# KiCad board LightRail_LPO_1.6T.kicad_pcb (continued)
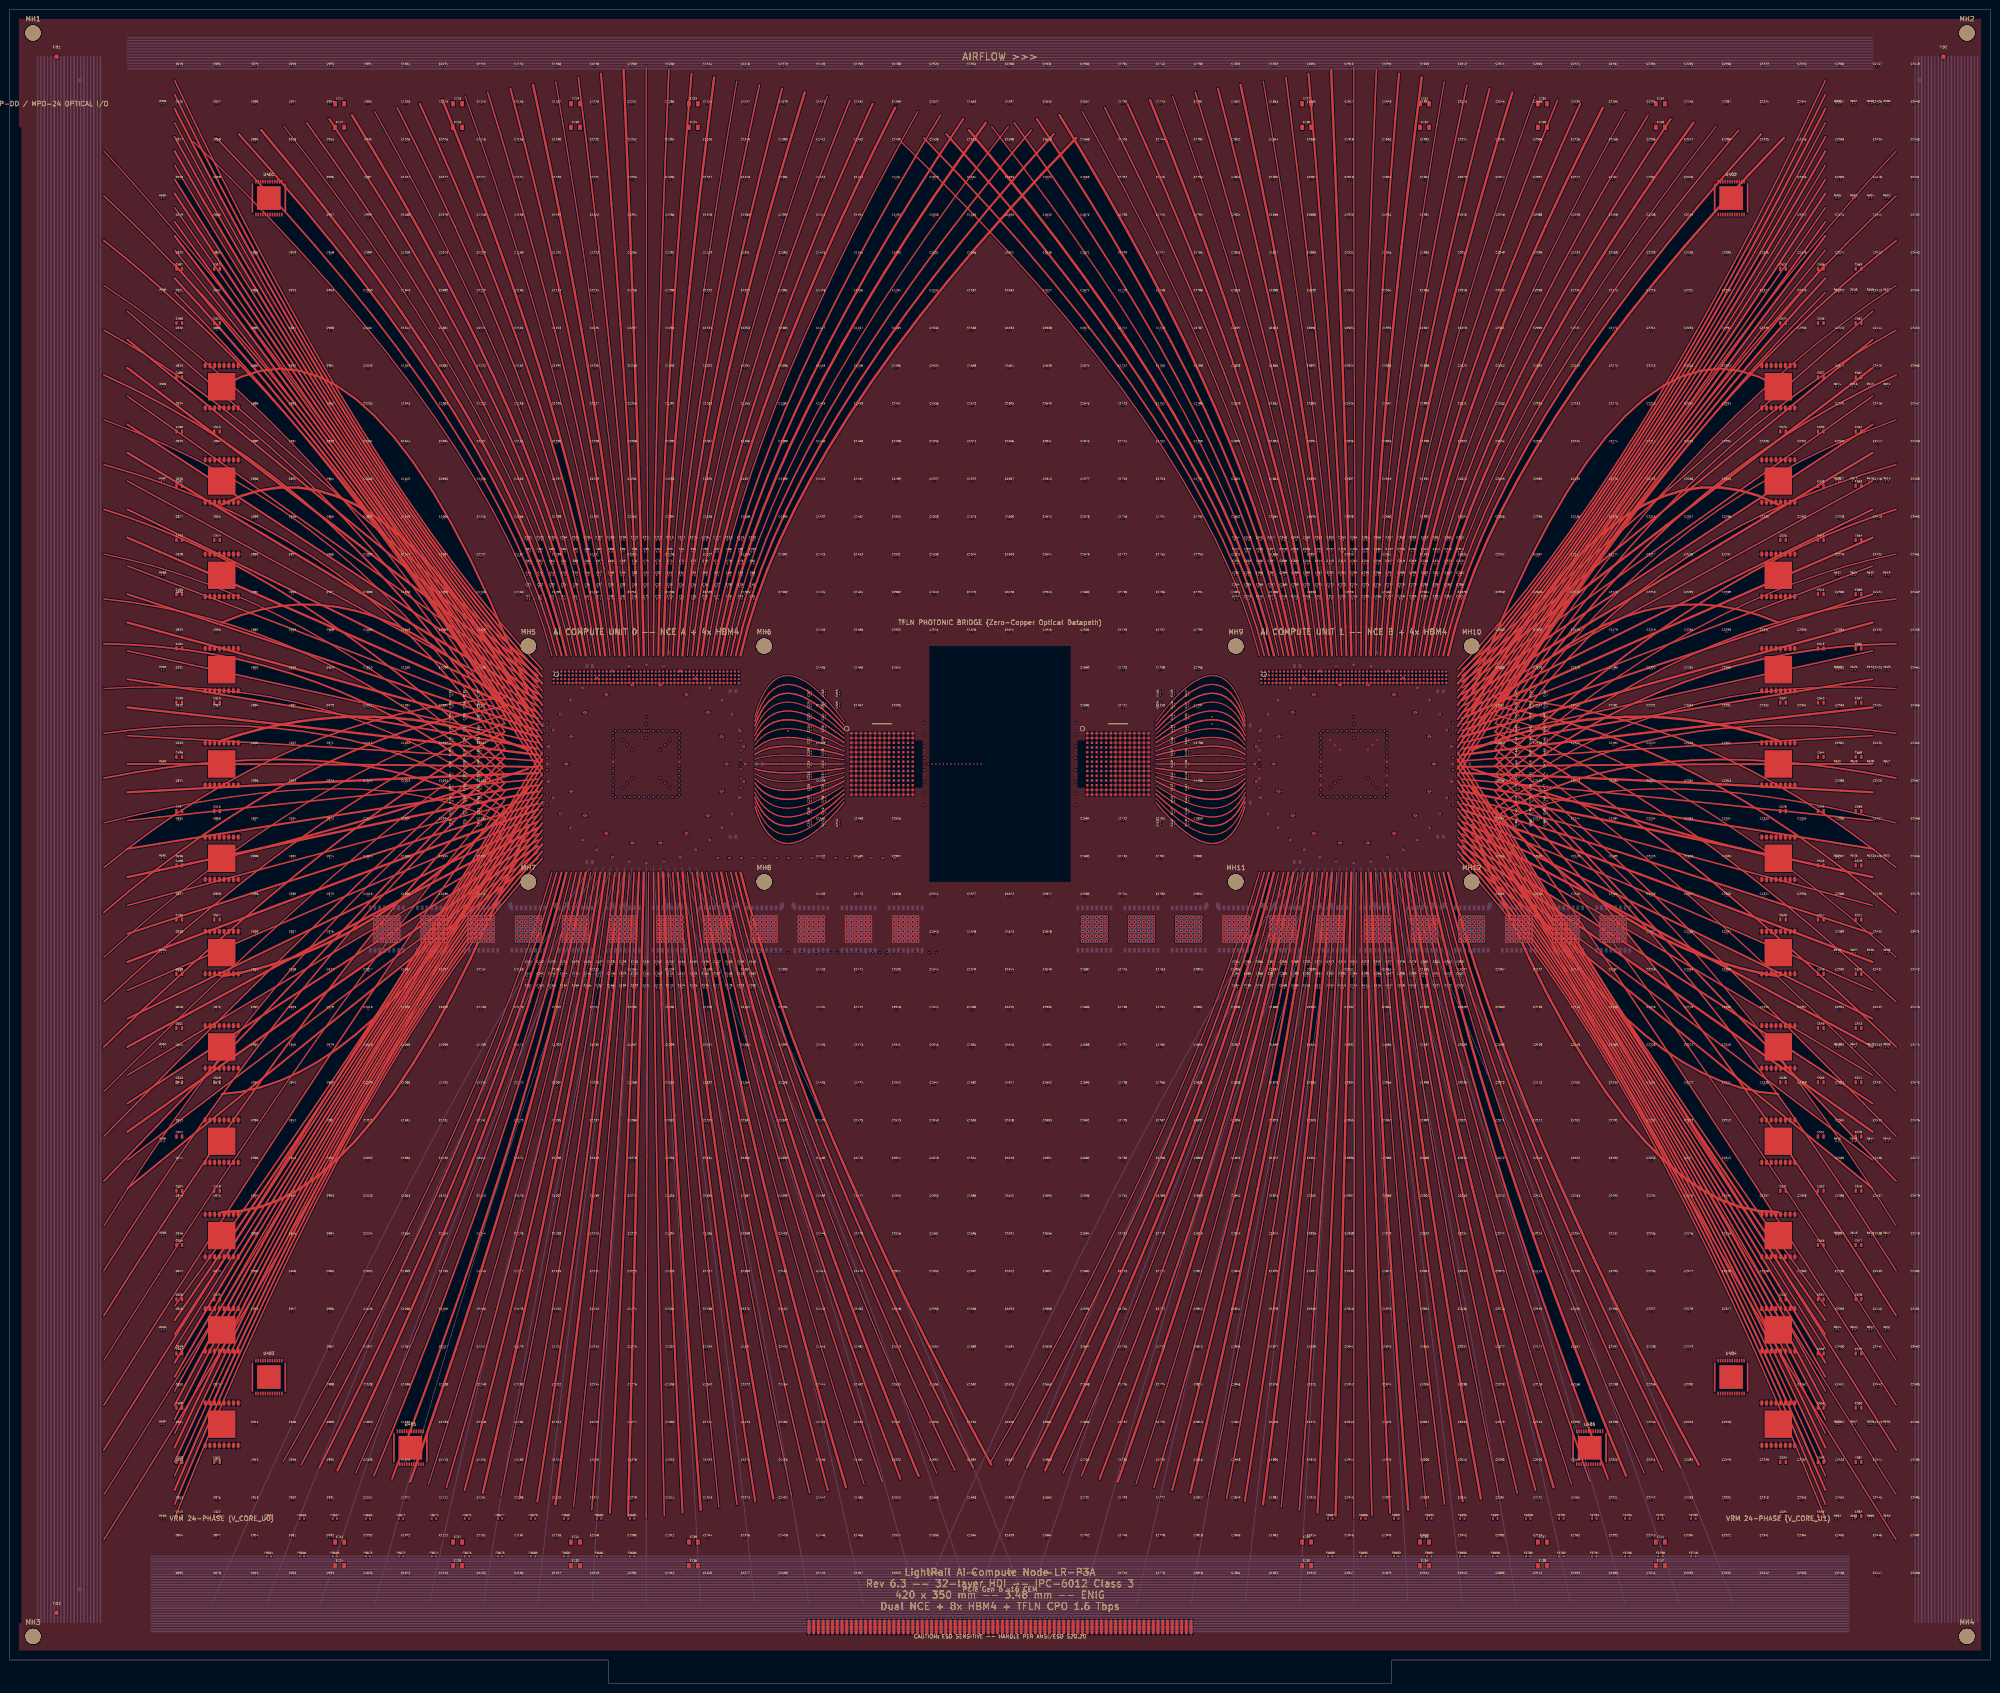
[diagram p0: board, top side]
## Routing (per net, layer and track width the routed paths; a pad name or vN(x,y) marks a point on that pad's centre or on a via; arc(x,y) is an arc through that point) (continued)
169.7,130.6 169.7,130.12 170.9,129.64 170.9,129.16 170.3,128.92 170.3,123.8 170.9,123.56 170.9,123.08 169.7,122.6 169.7,122.12 170.9,121.64 170.9,121.16 170.3,120.92 170.3,115.8 170.9,115.56 170.9,115.08 169.7,114.6 169.7,114.12 170.9,113.64 170.9,113.16 170.3,112.92 170.3,107.8 170.9,107.56 170.9,107.08 169.7,106.6 169.7,106.12 170.9,105.64 170.9,105.16 170.3,104.92 170.3,99.8 170.9,99.56 170.9,99.08 169.7,98.6 169.7,98.12 170.9,97.64 170.9,97.16 170.3,96.92 170.3,91.8 170.9,91.56 170.9,91.08 169.7,90.6 169.7,90.12 170.9,89.64 170.9,89.16 170.3,88.92 170.3,83.8 170.9,83.56 170.9,83.08 169.7,82.6 169.7,82.12 170.9,81.64 170.9,81.16 170.3,80.92 170.3,75.8 170.9,75.56 170.9,75.08 169.7,74.6 169.7,74.12 170.9,73.64 170.9,73.16 170.3,72.92 170.3,67.8 170.9,67.56 170.9,67.08 169.7,66.6 169.7,66.12 170.9,65.64 170.9,65.16 170.3,64.92 170.3,59.8 170.9,59.56 170.9,59.08 169.7,58.6 169.7,58.12 170.9,57.64 170.9,57.16 170.3,56.92 170.3,51.8 170.9,51.56 170.9,51.08 169.7,50.6 169.7,50.12 170.9,49.64 170.9,49.16 170.3,48.92 170.3,43.8 170.9,43.56 170.9,43.08 169.7,42.6 169.7,42.12 170.9,41.64 170.9,41.16 170.3,40.92 170.3,35.8 170.9,35.56 170.9,35.08 169.7,34.6 169.7,34.12 170.9,33.64 170.9,33.16 170.3,32.92 170.3,27.8 170.9,27.56 170.9,27.08 169.7,26.6 169.7,26.12 170.9,25.64 170.9,25.16 170.3,24.92 170.3,15 ; 165,15 165,24.92 165.9,25.16 165.9,25.64 164.1,26.12 164.1,26.6 165.9,27.08 165.9,27.56 165,27.8 165,32.92 165.9,33.16 165.9,33.64 164.1,34.12 164.1,34.6 165.9,35.08 165.9,35.56 165,35.8 165,40.92 165.9,41.16 165.9,41.64 164.1,42.12 164.1,42.6 165.9,43.08 165.9,43.56 165,43.8 165,48.92 165.9,49.16 165.9,49.64 164.1,50.12 164.1,50.6 165.9,51.08 165.9,51.56 165,51.8 165,56.92 165.9,57.16 165.9,57.64 164.1,58.12 164.1,58.6 165.9,59.08 165.9,59.56 165,59.8 165,64.92 165.9,65.16 165.9,65.64 164.1,66.12 164.1,66.6 165.9,67.08 165.9,67.56 165,67.8 165,72.92 165.9,73.16 165.9,73.64 164.1,74.12 164.1,74.6 165.9,75.08 165.9,75.56 165,75.8 165,80.92 165.9,81.16 165.9,81.64 164.1,82.12 164.1,82.6 165.9,83.08 165.9,83.56 165,83.8 165,88.92 165.9,89.16 165.9,89.64 164.1,90.12 164.1,90.6 165.9,91.08 165.9,91.56 165,91.8 165,96.92 165.9,97.16 165.9,97.64 164.1,98.12 164.1,98.6 165.9,99.08 165.9,99.56 165,99.8 165,104.92 165.9,105.16 165.9,105.64 164.1,106.12 164.1,106.6 165.9,107.08 165.9,107.56 165,107.8 165,112.92 165.9,113.16 165.9,113.64 164.1,114.12 164.1,114.6 165.9,115.08 165.9,115.56 165,115.8 165,120.92 165.9,121.16 165.9,121.64 164.1,122.12 164.1,122.6 165.9,123.08 165.9,123.56 165,123.8 165,128.92 165.9,129.16 165.9,129.64 164.1,130.12 164.1,130.6 165.9,131.08 165.9,131.56 165,131.8 165,136.92 165.9,137.16 165.9,137.64 164.1,138.12 164.1,138.6 165.9,139.08 165.9,139.56 165,139.8 165,144.92 165.9,145.16 165.9,145.64 164.1,146.12 164.1,146.6 165.9,147.08 165.9,147.56 165,147.8 165,152.92 165.9,153.16 165.9,153.64 164.1,154.12 164.1,154.6 165.9,155.08 165.9,155.56 165,155.8 165,160.92 165.9,161.16 165.9,161.64 164.1,162.12 164.1,162.6 165.9,163.08 165.9,163.56 165,163.8 165,168.92 165.9,169.16 165.9,169.64 164.1,170.12 164.1,170.6 165.9,171.08 165.9,171.56 165,171.8 v1(165,175) ; v1(167.8,175) 167.8,171.8 168.85,171.56 168.85,171.08 166.75,170.6 166.75,170.12 168.85,169.64 168.85,169.16 167.8,168.92 167.8,163.8 168.85,163.56 168.85,163.08 166.75,162.6 166.75,162.12 168.85,161.64 168.85,161.16 167.8,160.92 167.8,155.8 168.85,155.56 168.85,155.08 166.75,154.6 166.75,154.12 168.85,153.64 168.85,153.16 167.8,152.92 167.8,147.8 168.85,147.56 168.85,147.08 166.75,146.6 166.75,146.12 168.85,145.64 168.85,145.16 167.8,144.92 167.8,139.8 168.85,139.56 168.85,139.08 166.75,138.6 166.75,138.12 168.85,137.64 168.85,137.16 167.8,136.92 167.8,131.8 168.85,131.56 168.85,131.08 166.75,130.6 166.75,130.12 168.85,129.64 168.85,129.16 167.8,128.92 167.8,123.8 168.85,123.56 168.85,123.08 166.75,122.6 166.75,122.12 168.85,121.64 168.85,121.16 167.8,120.92 167.8,115.8 168.85,115.56 168.85,115.08 166.75,114.6 166.75,114.12 168.85,113.64 168.85,113.16 167.8,112.92 167.8,107.8 168.85,107.56 168.85,107.08 166.75,106.6 166.75,106.12 168.85,105.64 168.85,105.16 167.8,104.92 167.8,99.8 168.85,99.56 168.85,99.08 166.75,98.6 166.75,98.12 168.85,97.64 168.85,97.16 167.8,96.92 167.8,91.8 168.85,91.56 168.85,91.08 166.75,90.6 166.75,90.12 168.85,89.64 168.85,89.16 167.8,88.92 167.8,83.8 168.85,83.56 168.85,83.08 166.75,82.6 166.75,82.12 168.85,81.64 168.85,81.16 167.8,80.92 167.8,75.8 168.85,75.56 168.85,75.08 166.75,74.6 166.75,74.12 168.85,73.64 168.85,73.16 167.8,72.92 167.8,67.8 168.85,67.56 168.85,67.08 166.75,66.6 166.75,66.12 168.85,65.64 168.85,65.16 167.8,64.92 167.8,59.8 168.85,59.56 168.85,59.08 166.75,58.6 166.75,58.12 168.85,57.64 168.85,57.16 167.8,56.92 167.8,51.8 168.85,51.56 168.85,51.08 166.75,50.6 166.75,50.12 168.85,49.64 168.85,49.16 167.8,48.92 167.8,43.8 168.85,43.56 168.85,43.08 166.75,42.6 166.75,42.12 168.85,41.64 168.85,41.16 167.8,40.92 167.8,35.8 168.85,35.56 168.85,35.08 166.75,34.6 166.75,34.12 168.85,33.64 168.85,33.16 167.8,32.92 167.8,27.8 168.85,27.56 168.85,27.08 166.75,26.6 166.75,26.12 168.85,25.64 168.85,25.16 167.8,24.92 167.8,15 ; 185,15 185,24.92 185.9,25.16 185.9,25.64 184.1,26.12 184.1,26.6 185.9,27.08 185.9,27.56 185,27.8 185,32.92 185.9,33.16 185.9,33.64 184.1,34.12 184.1,34.6 185.9,35.08 185.9,35.56 185,35.8 185,40.92 185.9,41.16 185.9,41.64 184.1,42.12 184.1,42.6 185.9,43.08 185.9,43.56 185,43.8 185,48.92 185.9,49.16 185.9,49.64 184.1,50.12 184.1,50.6 185.9,51.08 185.9,51.56 185,51.8 185,56.92 185.9,57.16 185.9,57.64 184.1,58.12 184.1,58.6 185.9,59.08 185.9,59.56 185,59.8 185,64.92 185.9,65.16 185.9,65.64 184.1,66.12 184.1,66.6 185.9,67.08 185.9,67.56 185,67.8 185,72.92 185.9,73.16 185.9,73.64 184.1,74.12 184.1,74.6 185.9,75.08 185.9,75.56 185,75.8 185,80.92 185.9,81.16 185.9,81.64 184.1,82.12 184.1,82.6 185.9,83.08 185.9,83.56 185,83.8 185,88.92 185.9,89.16 185.9,89.64 184.1,90.12 184.1,90.6 185.9,91.08 185.9,91.56 185,91.8 185,96.92 185.9,97.16 185.9,97.64 184.1,98.12 184.1,98.6 185.9,99.08 185.9,99.56 185,99.8 185,104.92 185.9,105.16 185.9,105.64 184.1,106.12 184.1,106.6 185.9,107.08 185.9,107.56 185,107.8 185,112.92 185.9,113.16 185.9,113.64 184.1,114.12 184.1,114.6 185.9,115.08 185.9,115.56 185,115.8 185,120.92 185.9,121.16 185.9,121.64 184.1,122.12 184.1,122.6 185.9,123.08 185.9,123.56 185,123.8 185,128.92 185.9,129.16 185.9,129.64 184.1,130.12 184.1,130.6 185.9,131.08 185.9,131.56 185,131.8 185,136.92 185.9,137.16 185.9,137.64 184.1,138.12 184.1,138.6 185.9,139.08 185.9,139.56 185,139.8 185,144.92 185.9,145.16 185.9,145.64 184.1,146.12 184.1,146.6 185.9,147.08 185.9,147.56 185,147.8 185,152.92 185.9,153.16 185.9,153.64 184.1,154.12 184.1,154.6 185.9,155.08 185.9,155.56 185,155.8 185,160.92 185.9,161.16 185.9,161.64 184.1,162.12 184.1,162.6 185.9,163.08 185.9,163.56 185,163.8 185,168.92 185.9,169.16 185.9,169.64 184.1,170.12 184.1,170.6 185.9,171.08 185.9,171.56 185,171.8 v1(185,175) ; v1(182.5,175) 182.5,171.8 183.25,171.56 183.25,171.08 181.75,170.6 181.75,170.12 183.25,169.64 183.25,169.16 182.5,168.92 182.5,163.8 183.25,163.56 183.25,163.08 181.75,162.6 181.75,162.12 183.25,161.64 183.25,161.16 182.5,160.92 182.5,155.8 183.25,155.56 183.25,155.08 181.75,154.6 181.75,154.12 183.25,153.64 183.25,153.16 182.5,152.92 182.5,147.8 183.25,147.56 183.25,147.08 181.75,146.6 181.75,146.12 183.25,145.64 183.25,145.16 182.5,144.92 182.5,139.8 183.25,139.56 183.25,139.08 181.75,138.6 181.75,138.12 183.25,137.64 183.25,137.16 182.5,136.92 182.5,131.8 183.25,131.56 183.25,131.08 181.75,130.6 181.75,130.12 183.25,129.64 183.25,129.16 182.5,128.92 182.5,123.8 183.25,123.56 183.25,123.08 181.75,122.6 181.75,122.12 183.25,121.64 183.25,121.16 182.5,120.92 182.5,115.8 183.25,115.56 183.25,115.08 181.75,114.6 181.75,114.12 183.25,113.64 183.25,113.16 182.5,112.92 182.5,107.8 183.25,107.56 183.25,107.08 181.75,106.6 181.75,106.12 183.25,105.64 183.25,105.16 182.5,104.92 182.5,99.8 183.25,99.56 183.25,99.08 181.75,98.6 181.75,98.12 183.25,97.64 183.25,97.16 182.5,96.92 182.5,91.8 183.25,91.56 183.25,91.08 181.75,90.6 181.75,90.12 183.25,89.64 183.25,89.16 182.5,88.92 182.5,83.8 183.25,83.56 183.25,83.08 181.75,82.6 181.75,82.12 183.25,81.64 183.25,81.16 182.5,80.92 182.5,75.8 183.25,75.56 183.25,75.08 181.75,74.6 181.75,74.12 183.25,73.64 183.25,73.16 182.5,72.92 182.5,67.8 183.25,67.56 183.25,67.08 181.75,66.6 181.75,66.12 183.25,65.64 183.25,65.16 182.5,64.92 182.5,59.8 183.25,59.56 183.25,59.08 181.75,58.6 181.75,58.12 183.25,57.64 183.25,57.16 182.5,56.92 182.5,51.8 183.25,51.56 183.25,51.08 181.75,50.6 181.75,50.12 183.25,49.64 183.25,49.16 182.5,48.92 182.5,43.8 183.25,43.56 183.25,43.08 181.75,42.6 181.75,42.12 183.25,41.64 183.25,41.16 182.5,40.92 182.5,35.8 183.25,35.56 183.25,35.08 181.75,34.6 181.75,34.12 183.25,33.64 183.25,33.16 182.5,32.92 182.5,27.8 183.25,27.56 183.25,27.08 181.75,26.6 181.75,26.12 183.25,25.64 183.25,25.16 182.5,24.92 182.5,15 ; v1(187.8,175) 187.8,171.8 188.85,171.56 188.85,171.08 186.75,170.6 186.75,170.12 188.85,169.64 188.85,169.16 187.8,168.92 187.8,163.8 188.85,163.56 188.85,163.08 186.75,162.6 186.75,162.12 188.85,161.64 188.85,161.16 187.8,160.92 187.8,155.8 188.85,155.56 188.85,155.08 186.75,154.6 186.75,154.12 188.85,153.64 188.85,153.16 187.8,152.92 187.8,147.8 188.85,147.56 188.85,147.08 186.75,146.6 186.75,146.12 188.85,145.64 188.85,145.16 187.8,144.92 187.8,139.8 188.85,139.56 188.85,139.08 186.75,138.6 186.75,138.12 188.85,137.64 188.85,137.16 187.8,136.92 187.8,131.8 188.85,131.56 188.85,131.08 186.75,130.6 186.75,130.12 188.85,129.64 188.85,129.16 187.8,128.92 187.8,123.8 188.85,123.56 188.85,123.08 186.75,122.6 186.75,122.12 188.85,121.64 188.85,121.16 187.8,120.92 187.8,115.8 188.85,115.56 188.85,115.08 186.75,114.6 186.75,114.12 188.85,113.64 188.85,113.16 187.8,112.92 187.8,107.8 188.85,107.56 188.85,107.08 186.75,106.6 186.75,106.12 188.85,105.64 188.85,105.16 187.8,104.92 187.8,99.8 188.85,99.56 188.85,99.08 186.75,98.6 186.75,98.12 188.85,97.64 188.85,97.16 187.8,96.92 187.8,91.8 188.85,91.56 188.85,91.08 186.75,90.6 186.75,90.12 188.85,89.64 188.85,89.16 187.8,88.92 187.8,83.8 188.85,83.56 188.85,83.08 186.75,82.6 186.75,82.12 188.85,81.64 188.85,81.16 187.8,80.92 187.8,75.8 188.85,75.56 188.85,75.08 186.75,74.6 186.75,74.12 188.85,73.64 188.85,73.16 187.8,72.92 187.8,67.8 188.85,67.56 188.85,67.08 186.75,66.6 186.75,66.12 188.85,65.64 188.85,65.16 187.8,64.92 187.8,59.8 188.85,59.56 188.85,59.08 186.75,58.6 186.75,58.12 188.85,57.64 188.85,57.16 187.8,56.92 187.8,51.8 188.85,51.56 188.85,51.08 186.75,50.6 186.75,50.12 188.85,49.64 188.85,49.16 187.8,48.92 187.8,43.8 188.85,43.56 188.85,43.08 186.75,42.6 186.75,42.12 188.85,41.64 188.85,41.16 187.8,40.92 187.8,35.8 188.85,35.56 188.85,35.08 186.75,34.6 186.75,34.12 188.85,33.64 188.85,33.16 187.8,32.92 187.8,27.8 188.85,27.56 188.85,27.08 186.75,26.6 186.75,26.12 188.85,25.64 188.85,25.16 187.8,24.92 187.8,15 ; v1(155,175) 155,171.8 155.9,171.56 155.9,171.08 154.1,170.6 154.1,170.12 155.9,169.64 155.9,169.16 155,168.92 155,163.8 155.9,163.56 155.9,163.08 154.1,162.6 154.1,162.12 155.9,161.64 155.9,161.16 155,160.92 155,155.8 155.9,155.56 155.9,155.08 154.1,154.6 154.1,154.12 155.9,153.64 155.9,153.16 155,152.92 155,147.8 155.9,147.56 155.9,147.08 154.1,146.6 154.1,146.12 155.9,145.64 155.9,145.16 155,144.92 155,139.8 155.9,139.56 155.9,139.08 154.1,138.6 154.1,138.12 155.9,137.64 155.9,137.16 155,136.92 155,131.8 155.9,131.56 155.9,131.08 154.1,130.6 154.1,130.12 155.9,129.64 155.9,129.16 155,128.92 155,123.8 155.9,123.56 155.9,123.08 154.1,122.6 154.1,122.12 155.9,121.64 155.9,121.16 155,120.92 155,115.8 155.9,115.56 155.9,115.08 154.1,114.6 154.1,114.12 155.9,113.64 155.9,113.16 155,112.92 155,107.8 155.9,107.56 155.9,107.08 154.1,106.6 154.1,106.12 155.9,105.64 155.9,105.16 155,104.92 155,99.8 155.9,99.56 155.9,99.08 154.1,98.6 154.1,98.12 155.9,97.64 155.9,97.16 155,96.92 155,91.8 155.9,91.56 155.9,91.08 154.1,90.6 154.1,90.12 155.9,89.64 155.9,89.16 155,88.92 155,83.8 155.9,83.56 155.9,83.08 154.1,82.6 154.1,82.12 155.9,81.64 155.9,81.16 155,80.92 155,75.8 155.9,75.56 155.9,75.08 154.1,74.6 154.1,74.12 155.9,73.64 155.9,73.16 155,72.92 155,67.8 155.9,67.56 155.9,67.08 154.1,66.6 154.1,66.12 155.9,65.64 155.9,65.16 155,64.92 155,59.8 155.9,59.56 155.9,59.08 154.1,58.6 154.1,58.12 155.9,57.64 155.9,57.16 155,56.92 155,51.8 155.9,51.56 155.9,51.08 154.1,50.6 154.1,50.12 155.9,49.64 155.9,49.16 155,48.92 155,43.8 155.9,43.56 155.9,43.08 154.1,42.6 154.1,42.12 155.9,41.64 155.9,41.16 155,40.92 155,35.8 155.9,35.56 155.9,35.08 154.1,34.6 154.1,34.12 155.9,33.64 155.9,33.16 155,32.92 155,27.8 155.9,27.56 155.9,27.08 154.1,26.6 154.1,26.12 155.9,25.64 155.9,25.16 155,24.92 155,15 ; v1(187.5,175) 187.5,171.8 188.55,171.56 188.55,171.08 186.45,170.6 186.45,170.12 188.55,169.64 188.55,169.16 187.5,168.92 187.5,163.8 188.55,163.56 188.55,163.08 186.45,162.6 186.45,162.12 188.55,161.64 188.55,161.16 187.5,160.92 187.5,155.8 188.55,155.56 188.55,155.08 186.45,154.6 186.45,154.12 188.55,153.64 188.55,153.16 187.5,152.92 187.5,147.8 188.55,147.56 188.55,147.08 186.45,146.6 186.45,146.12 188.55,145.64 188.55,145.16 187.5,144.92 187.5,139.8 188.55,139.56 188.55,139.08 186.45,138.6 186.45,138.12 188.55,137.64 188.55,137.16 187.5,136.92 187.5,131.8 188.55,131.56 188.55,131.08 186.45,130.6 186.45,130.12 188.55,129.64 188.55,129.16 187.5,128.92 187.5,123.8 188.55,123.56 188.55,123.08 186.45,122.6 186.45,122.12 188.55,121.64 188.55,121.16 187.5,120.92 187.5,115.8 188.55,115.56 188.55,115.08 186.45,114.6 186.45,114.12 188.55,113.64 188.55,113.16 187.5,112.92 187.5,107.8 188.55,107.56 188.55,107.08 186.45,106.6 186.45,106.12 188.55,105.64 188.55,105.16 187.5,104.92 187.5,99.8 188.55,99.56 188.55,99.08 186.45,98.6 186.45,98.12 188.55,97.64 188.55,97.16 187.5,96.92 187.5,91.8 188.55,91.56 188.55,91.08 186.45,90.6 186.45,90.12 188.55,89.64 188.55,89.16 187.5,88.92 187.5,83.8 188.55,83.56 188.55,83.08 186.45,82.6 186.45,82.12 188.55,81.64 188.55,81.16 187.5,80.92 187.5,75.8 188.55,75.56 188.55,75.08 186.45,74.6 186.45,74.12 188.55,73.64 188.55,73.16 187.5,72.92 187.5,67.8 188.55,67.56 188.55,67.08 186.45,66.6 186.45,66.12 188.55,65.64 188.55,65.16 187.5,64.92 187.5,59.8 188.55,59.56 188.55,59.08 186.45,58.6 186.45,58.12 188.55,57.64 188.55,57.16 187.5,56.92 187.5,51.8 188.55,51.56 188.55,51.08 186.45,50.6 186.45,50.12 188.55,49.64 188.55,49.16 187.5,48.92 187.5,43.8 188.55,43.56 188.55,43.08 186.45,42.6 186.45,42.12 188.55,41.64 188.55,41.16 187.5,40.92 187.5,35.8 188.55,35.56 188.55,35.08 186.45,34.6 186.45,34.12 188.55,33.64 188.55,33.16 187.5,32.92 187.5,27.8 188.55,27.56 188.55,27.08 186.45,26.6 186.45,26.12 188.55,25.64 188.55,25.16 187.5,24.92 187.5,15 ; 162.5,15 162.5,24.92 163.25,25.16 163.25,25.64 161.75,26.12 161.75,26.6 163.25,27.08 163.25,27.56 162.5,27.8 162.5,32.92 163.25,33.16 163.25,33.64 161.75,34.12 161.75,34.6 163.25,35.08 163.25,35.56 162.5,35.8 162.5,40.92 163.25,41.16 163.25,41.64 161.75,42.12 161.75,42.6 163.25,43.08 163.25,43.56 162.5,43.8 162.5,48.92 163.25,49.16 163.25,49.64 161.75,50.12 161.75,50.6 163.25,51.08 163.25,51.56 162.5,51.8 162.5,56.92 163.25,57.16 163.25,57.64 161.75,58.12 161.75,58.6 163.25,59.08 163.25,59.56 162.5,59.8 162.5,64.92 163.25,65.16 163.25,65.64 161.75,66.12 161.75,66.6 163.25,67.08 163.25,67.56 162.5,67.8 162.5,72.92 163.25,73.16 163.25,73.64 161.75,74.12 161.75,74.6 163.25,75.08 163.25,75.56 162.5,75.8 162.5,80.92 163.25,81.16 163.25,81.64 161.75,82.12 161.75,82.6 163.25,83.08 163.25,83.56 162.5,83.8 162.5,88.92 163.25,89.16 163.25,89.64 161.75,90.12 161.75,90.6 163.25,91.08 163.25,91.56 162.5,91.8 162.5,96.92 163.25,97.16 163.25,97.64 161.75,98.12 161.75,98.6 163.25,99.08 163.25,99.56 162.5,99.8 162.5,104.92 163.25,105.16 163.25,105.64 161.75,106.12 161.75,106.6 163.25,107.08 163.25,107.56 162.5,107.8 162.5,112.92 163.25,113.16 163.25,113.64 161.75,114.12 161.75,114.6 163.25,115.08 163.25,115.56 162.5,115.8 162.5,120.92 163.25,121.16 163.25,121.64 161.75,122.12 161.75,122.6 163.25,123.08 163.25,123.56 162.5,123.8 162.5,128.92 163.25,129.16 163.25,129.64 161.75,130.12 161.75,130.6 163.25,131.08 163.25,131.56 162.5,131.8 162.5,136.92 163.25,137.16 163.25,137.64 161.75,138.12 161.75,138.6 163.25,139.08 163.25,139.56 162.5,139.8 162.5,144.92 163.25,145.16 163.25,145.64 161.75,146.12 161.75,146.6 163.25,147.08 163.25,147.56 162.5,147.8 162.5,152.92 163.25,153.16 163.25,153.64 161.75,154.12 161.75,154.6 163.25,155.08 163.25,155.56 162.5,155.8 162.5,160.92 163.25,161.16 163.25,161.64 161.75,162.12 161.75,162.6 163.25,163.08 163.25,163.56 162.5,163.8 162.5,168.92 163.25,169.16 163.25,169.64 161.75,170.12 161.75,170.6 163.25,171.08 163.25,171.56 162.5,171.8 v1(162.5,175) ; 175,15 175,24.92 175.9,25.16 175.9,25.64 174.1,26.12 174.1,26.6 175.9,27.08 175.9,27.56 175,27.8 175,32.92 175.9,33.16 175.9,33.64 174.1,34.12 174.1,34.6 175.9,35.08 175.9,35.56 175,35.8 175,40.92 175.9,41.16 175.9,41.64 174.1,42.12 174.1,42.6 175.9,43.08 175.9,43.56 175,43.8 175,48.92 175.9,49.16 175.9,49.64 174.1,50.12 174.1,50.6 175.9,51.08 175.9,51.56 175,51.8 175,56.92 175.9,57.16 175.9,57.64 174.1,58.12 174.1,58.6 175.9,59.08 175.9,59.56 175,59.8 175,64.92 175.9,65.16 175.9,65.64 174.1,66.12 174.1,66.6 175.9,67.08 175.9,67.56 175,67.8 175,72.92 175.9,73.16 175.9,73.64 174.1,74.12 174.1,74.6 175.9,75.08 175.9,75.56 175,75.8 175,80.92 175.9,81.16 175.9,81.64 174.1,82.12 174.1,82.6 175.9,83.08 175.9,83.56 175,83.8 175,88.92 175.9,89.16 175.9,89.64 174.1,90.12 174.1,90.6 175.9,91.08 175.9,91.56 175,91.8 175,96.92 175.9,97.16 175.9,97.64 174.1,98.12 174.1,98.6 175.9,99.08 175.9,99.56 175,99.8 175,104.92 175.9,105.16 175.9,105.64 174.1,106.12 174.1,106.6 175.9,107.08 175.9,107.56 175,107.8 175,112.92 175.9,113.16 175.9,113.64 174.1,114.12 174.1,114.6 175.9,115.08 175.9,115.56 175,115.8 175,120.92 175.9,121.16 175.9,121.64 174.1,122.12 174.1,122.6 175.9,123.08 175.9,123.56 175,123.8 175,128.92 175.9,129.16 175.9,129.64 174.1,130.12 174.1,130.6 175.9,131.08 175.9,131.56 175,131.8 175,136.92 175.9,137.16 175.9,137.64 174.1,138.12 174.1,138.6 175.9,139.08 175.9,139.56 175,139.8 175,144.92 175.9,145.16 175.9,145.64 174.1,146.12 174.1,146.6 175.9,147.08 175.9,147.56 175,147.8 175,152.92 175.9,153.16 175.9,153.64 174.1,154.12 174.1,154.6 175.9,155.08 175.9,155.56 175,155.8 175,160.92 175.9,161.16 175.9,161.64 174.1,162.12 174.1,162.6 175.9,163.08 175.9,163.56 175,163.8 175,168.92 175.9,169.16 175.9,169.64 174.1,170.12 174.1,170.6 175.9,171.08 175.9,171.56 175,171.8 v1(175,175) ; 150.3,15 150.3,24.92 150.9,25.16 150.9,25.64 149.7,26.12 149.7,26.6 150.9,27.08 150.9,27.56 150.3,27.8 150.3,32.92 150.9,33.16 150.9,33.64 149.7,34.12 149.7,34.6 150.9,35.08 150.9,35.56 150.3,35.8 150.3,40.92 150.9,41.16 150.9,41.64 149.7,42.12 149.7,42.6 150.9,43.08 150.9,43.56 150.3,43.8 150.3,48.92 150.9,49.16 150.9,49.64 149.7,50.12 149.7,50.6 150.9,51.08 150.9,51.56 150.3,51.8 150.3,56.92 150.9,57.16 150.9,57.64 149.7,58.12 149.7,58.6 150.9,59.08 150.9,59.56 150.3,59.8 150.3,64.92 150.9,65.16 150.9,65.64 149.7,66.12 149.7,66.6 150.9,67.08 150.9,67.56 150.3,67.8 150.3,72.92 150.9,73.16 150.9,73.64 149.7,74.12 149.7,74.6 150.9,75.08 150.9,75.56 150.3,75.8 150.3,80.92 150.9,81.16 150.9,81.64 149.7,82.12 149.7,82.6 150.9,83.08 150.9,83.56 150.3,83.8 150.3,88.92 150.9,89.16 150.9,89.64 149.7,90.12 149.7,90.6 150.9,91.08 150.9,91.56 150.3,91.8 150.3,96.92 150.9,97.16 150.9,97.64 149.7,98.12 149.7,98.6 150.9,99.08 150.9,99.56 150.3,99.8 150.3,104.92 150.9,105.16 150.9,105.64 149.7,106.12 149.7,106.6 150.9,107.08 150.9,107.56 150.3,107.8 150.3,112.92 150.9,113.16 150.9,113.64 149.7,114.12 149.7,114.6 150.9,115.08 150.9,115.56 150.3,115.8 150.3,120.92 150.9,121.16 150.9,121.64 149.7,122.12 149.7,122.6 150.9,123.08 150.9,123.56 150.3,123.8 150.3,128.92 150.9,129.16 150.9,129.64 149.7,130.12 149.7,130.6 150.9,131.08 150.9,131.56 150.3,131.8 150.3,136.92 150.9,137.16 150.9,137.64 149.7,138.12 149.7,138.6 150.9,139.08 150.9,139.56 150.3,139.8 150.3,144.92 